# Altium PCB PCB.PcbDoc
Units mil, origin at the board's own origin, x right, y up, seen from the top; angles counter-clockwise.
Board outline 1670 x 2400 mil, 2 copper layers (Top Layer, Bottom Layer); 61 components, 44 nets, 256 pads, 85 vias.
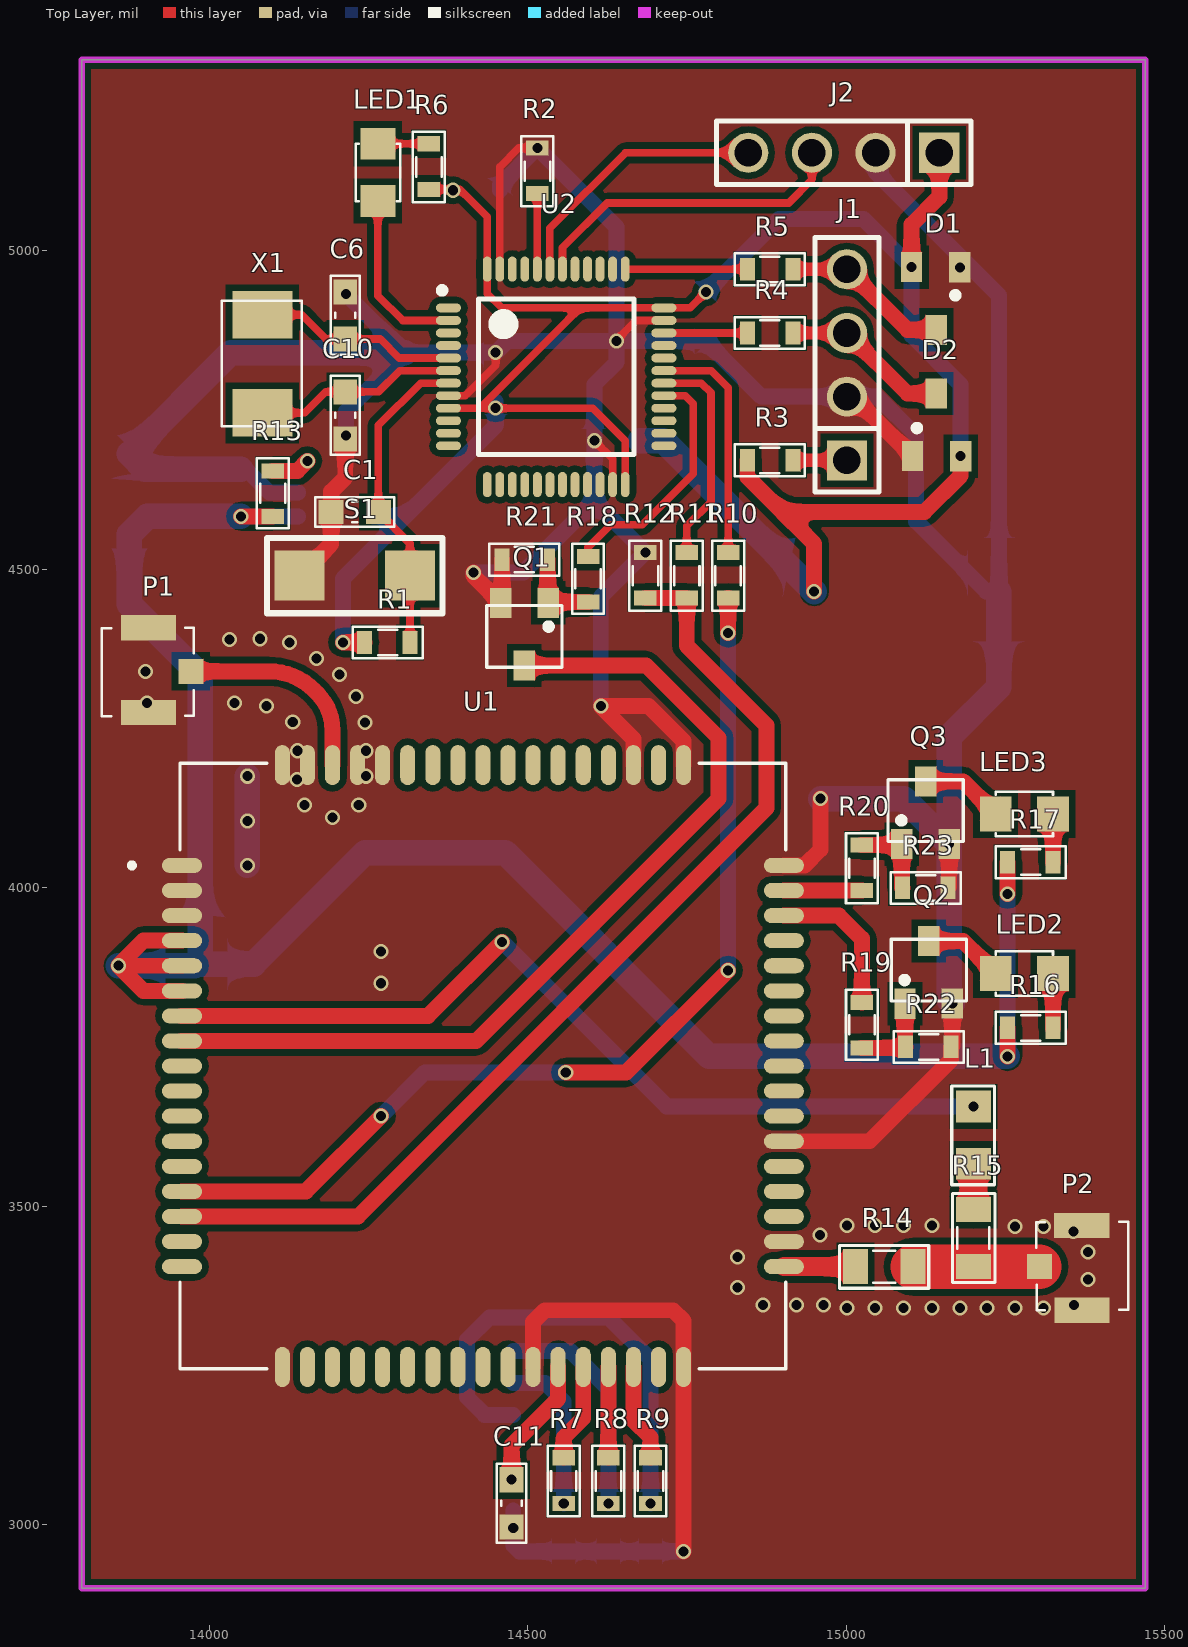
[diagram p0: Top Layer view]
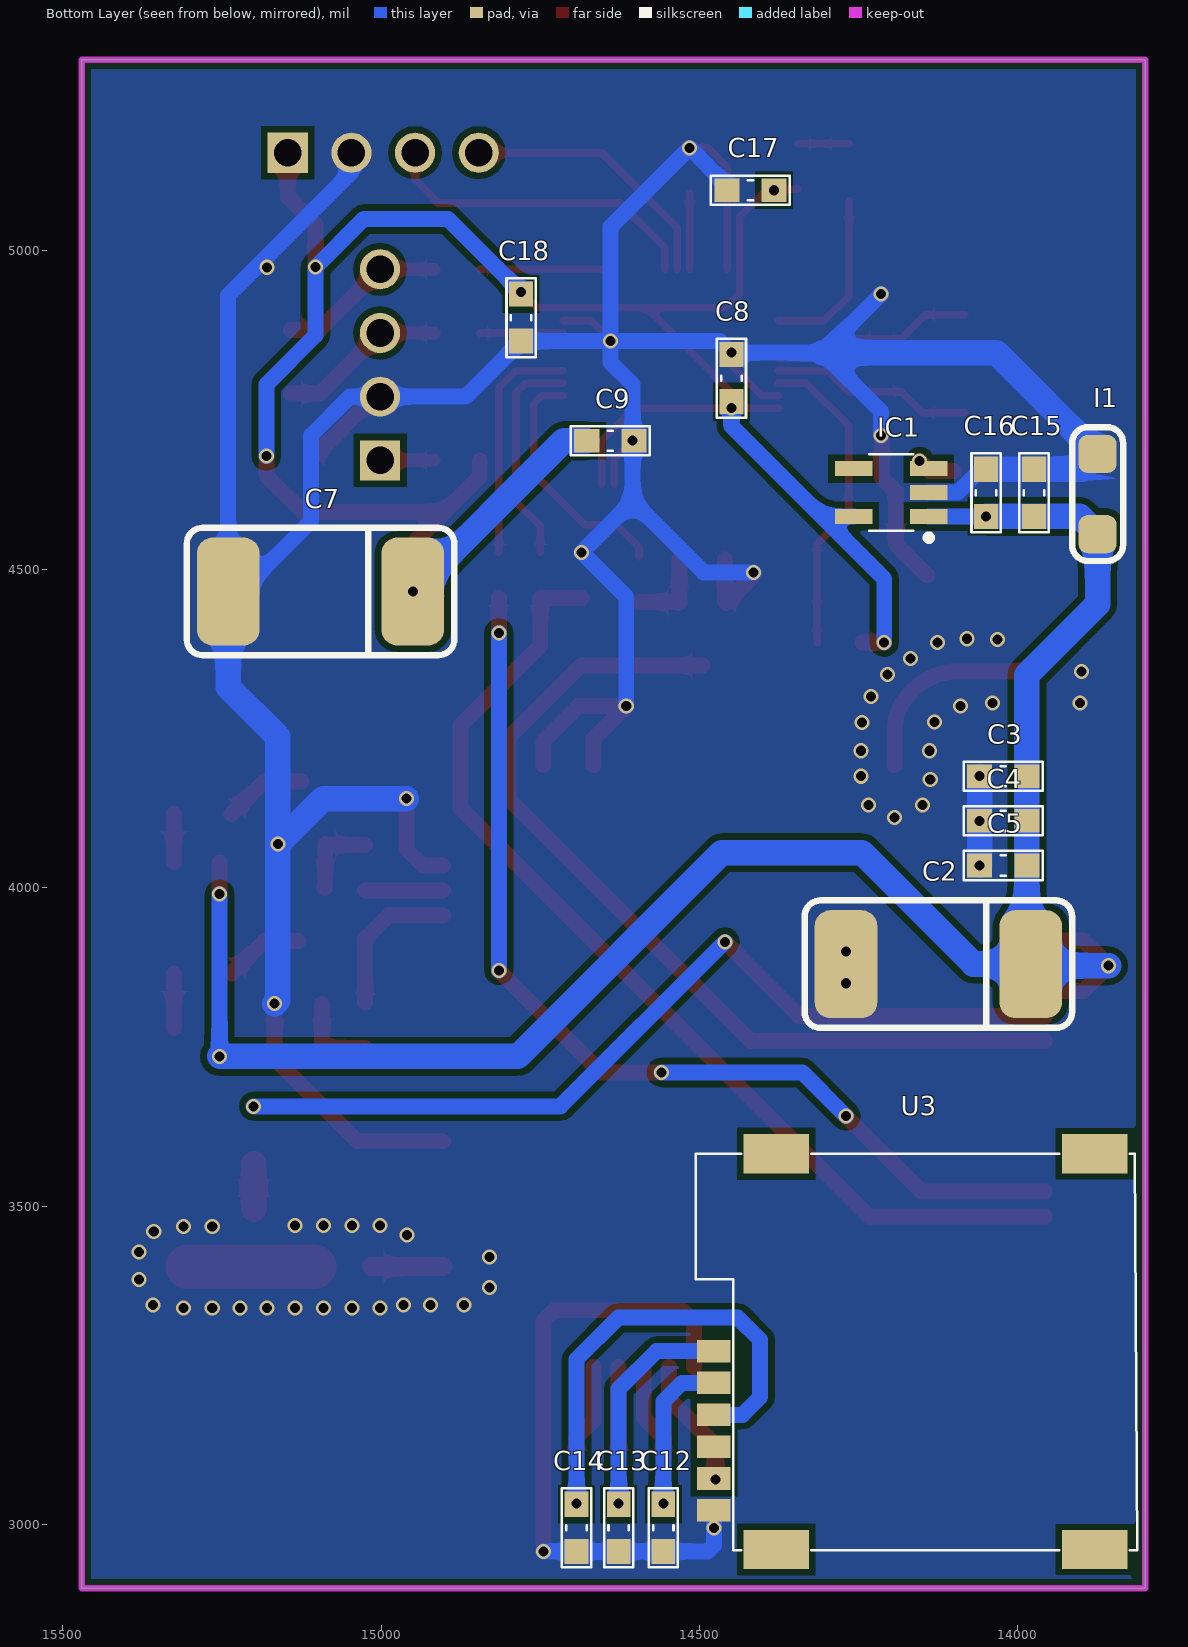
[diagram p1: Bottom Layer view, seen from below]
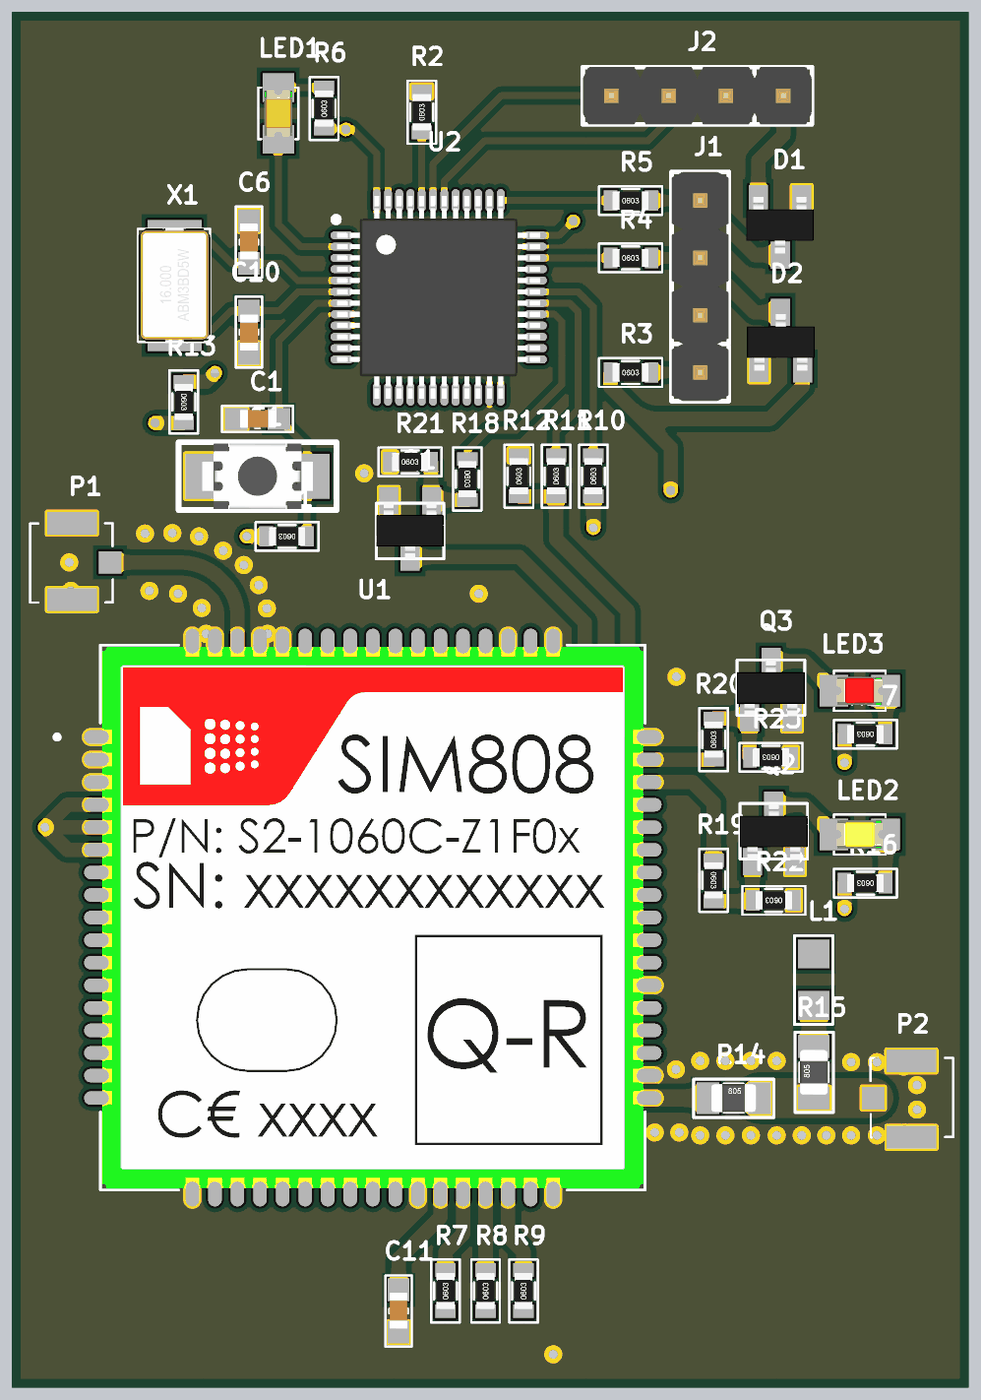
[diagram p2: 3D render of the assembled board from above, using the file's embedded part models]
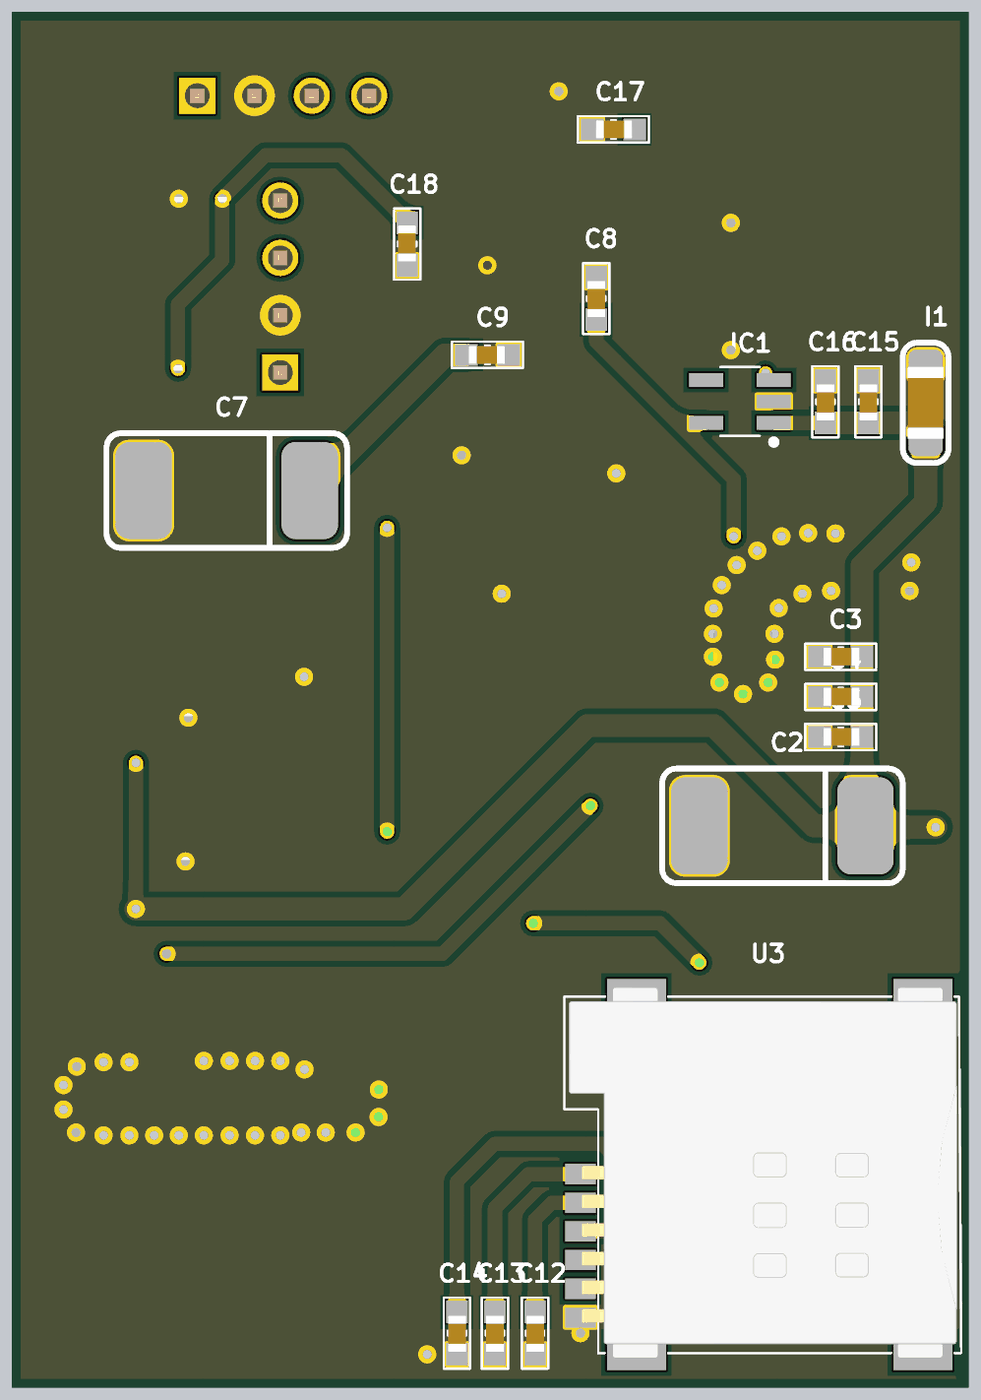
[diagram p3: 3D render of the assembled board from below, using the file's embedded part models]

## Layer stack, top to bottom
Top Solder: solder mask 0.4, Solder Resist, Dk 3.5
Top Layer: signal copper 1.4
Dielectric 1: dielectric 12.6, FR-4, Dk 4.8
Bottom Layer: signal copper 1.4
Bottom Solder: solder mask 0.4, Solder Resist, Dk 3.5

## Board outline
13800,2900 15470,2900 15470,5300 13800,5300

## Design rules (kind name [scope] priority, off if disabled: settings)
Clearance [All] p1: gap=10 ignorepadtopadclearanceinfootprint=TRUE except(0: Arc-Text Arc-Hole Track-Text Track-Hole SMDPad-Text SMDPad-Hole THPad-Text THPad-Hole Via-Text Via-Hole Fill-Text Fill-Hole Poly-Text Poly-Hole Region-Text Region-Hole Text-Text Text-Hole; 5: Arc-Arc Arc-Track Arc-SMDPad Track-Track Track-SMDPad SMDPad-SMDPad)
PolygonConnect [All] p1: connectstyle=Direct reliefconductorwidth=10 reliefentries=4 polygonreliefangle="90 Angle" airgapwidth=10
RoutingVias [All] p1: holewidth=15.75 width=23.62 viastyle="Through Hole" minholewidth=15.75 minwidth=23.62 maxholewidth=27.56 maxwidth=27.56
SolderMaskExpansion [All] p1: expansion=4
Width [All] p1: maxlimit=80 minlimit=12 preferedwidth=25
30 further rules are at their usual default settings.

## Components (designator, comment, footprint, x,y, rotation, side; value= is the part's Value field where it differs from the comment)
C1 "10uF" CAP_0603 14228.78,4590 r0 top value=33p
C2 "100uF" CAP_7343 14130,3880 r0 bottom
C3 "10uF" CAP_0603 14023.15,4175 r180 bottom value=33p
C4 "100nF" CAP_0603 14023.15,4105 r180 bottom value=33p
C5 "33pF" CAP_0603 14023.15,4035 r180 bottom value=33p
C6 "33pF" CAP_0603 14213.78,4898.52 r90 top value=33p
C7 "100uF" CAP_7343 15100,4465 r0 bottom
C8 "10uF" CAP_0603 14450,4800 r270 bottom value=33p
C9 "100nF" CAP_0603 14640,4701.73 r0 bottom value=33p
C10 "33pF" CAP_0603 14213.78,4741.52 r270 top value=33p
C11 "100nF" CAP_0603 14475,3033.51 r90 top value=33p
C12 "22pF" CAP_0603 14556.85,2995 r270 bottom value=33p
C13 "22pF" CAP_0603 14626.85,2995 r270 bottom value=33p
C14 "22pF" CAP_0603 14693.07,2995 r270 bottom value=33p
C15 "10uF" CAP_0603 13975,4620 r270 bottom value=33p
C16 "100nF" CAP_0603 14050,4620 r270 bottom value=33p
C17 "10uF" CAP_0603 14420,5095 r180 bottom value=33p
C18 "100nF" CAP_0603 14780,4895 r90 bottom value=33p
D1 "DIODE-BAV99" SOT23 15141.69,4925.07 r180 top
D2 "DIODE-BAV99" SOT23 15141.29,4726.65 r0 top
I1 "Batt" CAP_3216 13875,4617.99 r270 bottom value=33p
IC1 "RT9013" SOT23-5 14199.06,4620.4 r0 bottom
J1 "ST_LINK" JP4-D1T 15001.49,4670.9 r90 top
J2 "MPU" JP4-D1T 15146.49,5153.9 r180 top
L1 "47nH" L-0805 15200,3611.69 r270 top value="150 mH"
LED1 "LED" LED-0805-Orange 14265,5168 r270 top value="LED 3 ly Single Colour"
LED2 "LED" LED-0805-Yellow 15325,3865 r180 top value="LED 3 ly Single Colour"
LED3 "LED" LED-0805-Red 15325,4115.59 r180 top value="LED 3 ly Single Colour"
P1 "Antenna" IPXS 13955,4340 r0 top
P2 "Antenna" IPXS 15320,3404.69 r180 top
Q1 "2SC1815" SOT23D 14495,4398 r180 top value=C1815
Q2 "2SC1815" SOT23D 15130,3867 r0 top value=C1815
Q3 "2SC1815" SOT23D 15125,4117.59 r0 top value=C1815
R1 "10k" RES-SMD-0603 14280.39,4385 r180 top
R2 "100k" RES-SMD-0603 14515.47,5125 r90 top
R3 "10R" RES-SMD-0603 14880,4670.9 r0 top
R4 "10R" RES-SMD-0603 14880,4870.9 r0 top
R5 "10R" RES-SMD-0603 14880,4970.9 r0 top
R6 "1k" RES-SMD-0603 14345,5131.52 r90 top
R7 "22R" RES-SMD-0603 14556.85,3068.51 r90 top
R8 "22R" RES-SMD-0603 14626.85,3068.51 r90 top
R9 "22R" RES-SMD-0603 14693.08,3068.51 r90 top
R10 "1k" RES-SMD-0603 14815,4490 r90 top
R11 "1k" RES-SMD-0603 14750,4490 r90 top
R12 "4.7k" RES-SMD-0603 14685,4490 r90 top
R13 "100k" RES-SMD-0603 14100,4619.49 r270 top
R14 "0R" RES-SMD-0805 15060,3405.08 r0 top
R15 "10R" RES-SMD-0805 15200,3450.08 r90 top
R16 "1k" RES-SMD-0603 15290,3780 r180 top
R17 "1k" RES-SMD-0603 15290,4040 r180 top
R18 "4.7k" RES-SMD-0603 14595,4485 r270 top
R19 "4.7k" RES-SMD-0603 15025,3785 r270 top
R20 "4.7k" RES-SMD-0603 15025,4030.59 r90 top
R21 "47k" RES-SMD-0603 14495,4515 r0 top
R22 "47k" RES-SMD-0603 15130,3750 r180 top
R23 "47k" RES-SMD-0603 15125,3999.59 r180 top
S1 "SW-SMD" "SW 3x2x4" 14228.78,4490 r0 top
U1 "SIM808" XCVR_SIM808 14430,3720 r0 top
U2 "STM32" "LQFP 48" 14545,4802 r0 top
U3 "SIM-KF016" "Sim Socket" 14175,3275 r90 bottom value="Sim holder"
X1 "8Mhz" "XTAL 5032 SMD" 14083.78,4823.52 r90 top value=4Mhz

## Footprints (in the part's own frame and the unit in brackets; to place one, negate y for a bottom-side part, rotate by r counter-clockwise, add the part's x,y. Pads: shape width x height; smd on the part's side, far side on the other; paste and mask are expansions set on the pad)
CAP_0603 [mm]
  rect 1x0.95 smd mask+0.076: 1(-0.94,0) 2(0.94,0)
  silkscreen extent -1.57,-0.58 1.57,0.58, body extent -0.77,-0.39 0.83,0.41, height 0.9
CAP_3216 [mil]
  rrect50% 60x60 smd: 1(-62.99,0) 2(62.99,0)
  silkscreen extent -105,-40 105,40, body extent -63,-31 63,31, height 39
CAP_7343 [mm] "Capacitor Tantalum 7343"
  rrect50% 2.5x4.3 smd: 1(-3.81,0) 2(3.556,0)
  silkscreen extent -5.46,-2.54 5.21,2.54, body extent -3.81,-2.29 3.56,2.29, height 3
IPXS [mm] "SOT 23 _ 1-3-2"
  rect 1x1 smd: 1(0.415,-0.01)
  rect 2.2x1 smd: 2(-1.273,-1.658) 3(-1.278,1.73)
  silkscreen extent -3.13,-1.79 0.53,1.73, body extent -2.83,-1.49 0.31,1.56, height 1.55
JP4-D1T [mm] "4 pins, 1 row, straight, gold plating"
  rect 1.6x1.6 hole 1.1: 1(0,0)
  round 1.6 hole 1.1: 2(2.54,0) 3(5.08,0) 4(7.62,0)
  silkscreen extent -1.27,-1.27 8.89,1.27, body extent -1.27,-1.27 8.89,1.27, height 8.54
L-0805 [mil] "Compoment SMD 80x50mil"
  rect 50x55 smd: 1(-45,0) 2(45,0)
  silkscreen extent -77,-34 78,33, body extent -50,-20 50,20, height 43
LED-0805-Orange [mil]
  rect 50x55 smd: 1(0,0) 2(90,0)
  silkscreen extent 0,-35 90,35, body extent 5,-25 85,25, height 43
LED-0805-Red [mil]
  rect 50x55 smd: 1(0,0) 2(90,0)
  silkscreen extent 0,-35 90,35, body extent 5,-25 85,25, height 43
LED-0805-Yellow [mil]
  rect 50x55 smd: 1(0,0) 2(90,0)
  silkscreen extent 0,-35 90,35, body extent 5,-25 85,25, height 43
"LQFP 48" [mm] "LQFP, 48-Leads, Body 7,00x7,00mm, Pitch 0,50mm, IPC Medium Density"
  oval 1x0.35 smd: 1(-4.296,2.75) 2(-4.296,2.25) 3(-4.296,1.75) 4(-4.296,1.25) 5(-4.296,0.75) 6(-4.296,0.25) 7(-4.296,-0.25) 8(-4.296,-0.75) 9(-4.296,-1.25) 10(-4.296,-1.75) 11(-4.296,-2.25) 12(-4.296,-2.75) 25(4.296,-2.75) 26(4.296,-2.25) 27(4.296,-1.75) 28(4.296,-1.25) 29(4.296,-0.75) 30(4.296,-0.25) 31(4.296,0.25) 32(4.296,0.75) 33(4.296,1.25) 34(4.296,1.75) 35(4.296,2.25) 36(4.296,2.75)
  oval 0.35x1 smd: 13(-2.75,-4.296) 14(-2.25,-4.296) 15(-1.75,-4.296) 16(-1.25,-4.296) 17(-0.75,-4.296) 18(-0.25,-4.296) 19(0.25,-4.296) 20(0.75,-4.296) 21(1.25,-4.296) 22(1.75,-4.296) 23(2.25,-4.296) 24(2.75,-4.296) 37(2.75,4.296) 38(2.25,4.296) 39(1.75,4.296) 40(1.25,4.296) 41(0.75,4.296) 42(0.25,4.296) 43(-0.25,4.296) 44(-0.75,4.296) 45(-1.25,4.296) 46(-1.75,4.296) 47(-2.25,4.296) 48(-2.75,4.296)
  silkscreen extent -4.67,-3.1 3.1,3.57, body extent -4.5,-4.5 4.5,4.5, height 1.6
RES-SMD-0603 [mm]
  rect 0.6x0.9 smd: 1(-0.889,0) 2(0.927,0)
  silkscreen extent -1.4,-0.64 1.4,0.64, body extent -0.8,-0.4 0.8,0.4, height 0.43
RES-SMD-0805 [mil]
  rect 39.37x55 smd: 1(-45,0) 2(45,0)
  silkscreen extent -70,-34 70,33, body extent -39,-25 39,25, height 31
"Sim Socket" [mm] "Socket Micro Sim 6P Push"
  rect 0.9x1.35 smd: 1(-5.145,7.685) 2(-2.605,7.685) 3(-0.065,7.685) 5(-6.415,7.685) 6(-3.875,7.685) 7(-1.335,7.685)
  rect 1.56x2.61 smd: ""(-7.975,-7.5) ""(-7.975,5.2) ""(7.805,-7.5) ""(7.805,5.2)
  silkscreen extent -8,-9.2 7.8,8.4, body extent -8.2,-9 8.2,8.2, height 1.35
SOT23 [mm] "SOT 23 _ 1-3-2"
  rect 0.85x1.2 smd: 1(-0.94,-1.245) 2(0.985,-1.25) 3(0.005,1.25)
  silkscreen extent -0.89,-0.25 -0.64,0, body extent -1.47,-1.33 1.53,1.17, height 1.06
SOT23-5 [mm] "SOT23, 5-Leads, Body 3.0x3.0mm (max), Pitch 0.95mm, IPC Medium Density"
  rect 1.5x0.6 smd: 1(-1.5,0.95) 2(-1.5,0) 3(-1.5,-0.95) 4(1.5,-0.95) 5(1.5,0.95)
  silkscreen extent -1.62,-1.52 0.87,1.92, body extent -1.75,-1.52 1.75,1.53, height 1.45
SOT23D [mm] "SOT 23C - 1-3-2 - BCE"
  rect 0.85x1.2 smd: 1(-0.95,-1.25) 2(0.94,-1.245) 3(0,1.25)
  silkscreen extent -1.5,-1.14 1.5,1.32, body extent -1.5,-1.17 1.5,1.33, height 1.06
"SW 3x2x4" [mm]
  rect 2x2 smd: 1(-2.2,0) 2(2.2,0)
  silkscreen extent -3.5,-1.5 3.5,1.5, body extent -2.45,-1.45 2.45,1.45, height 2
XCVR_SIM808 [mm]
  oval 1.6x0.6 smd: 1(-12,8) 2(-12,7) 3(-12,6) 4(-12,5) 5(-12,4) 6(-12,3) 7(-12,2) 8(-12,1) 9(-12,0) 10(-12,-1) 11(-12,-2) 12(-12,-3) 13(-12,-4) 14(-12,-5) 15(-12,-6) 16(-12,-7) 17(-12,-8) 35(12,-8) 36(12,-7) 37(12,-6) 38(12,-5) 39(12,-4) 40(12,-3) 41(12,-2) 42(12,-1) 43(12,0) 44(12,1) 45(12,2) 46(12,3) 47(12,4) 48(12,5) 49(12,6) 50(12,7) 51(12,8)
  oval 0.6x1.6 smd: 18(-8,-12) 19(-7,-12) 20(-6,-12) 21(-5,-12) 22(-4,-12) 23(-3,-12) 24(-2,-12) 25(-1,-12) 26(0,-12) 27(1,-12) 28(2,-12) 29(3,-12) 30(4,-12) 31(5,-12) 32(6,-12) 33(7,-12) 34(8,-12) 52(8,12) 53(7,12) 54(6,12) 55(5,12) 56(4,12) 57(3,12) 58(2,12) 59(1,12) 60(0,12) 61(-1,12) 62(-2,12) 63(-3,12) 64(-4,12) 65(-5,12) 66(-6,12) 67(-7,12) 68(-8,12)
  silkscreen extent -14.1,-12.07 12.07,12.07, body extent -12,-12 12,12, height 2.8
"XTAL 5032 SMD" [mm] "SMD 5032 XTAL Footprint"
  rect 1.9x2.4 smd: 1(-1.981,0) 2(1.93,0)
  silkscreen extent -2.51,-1.57 2.49,1.63, body extent -2.5,-1.6 2.5,1.6, height 1.31

## Part data
C1 C3 C4 C5 C6 C8 C9 C10 C11 C12 C13 C14 C15 C16 C17 C18: library part CapSMD, "Capacitor", LatestRevisionDate=17-Jul-2002, LatestRevisionNote="Re-released for DXP Platform.", PackageReference=RAD-0.3, Published=8-Jun-2000, Publisher="Altium Limited"
C2 C7: library part "Cap Pol", "Tantalum", LatestRevisionDate=17-Jul-2002, LatestRevisionNote="Re-released for DXP Platform.", PackageReference=POLAR0.8, Published=8-Jun-2000, Publisher="Altium Limited"
D1 D2: "ZENER, SOT23,", Current - Average Rectified (Io) (per Diode)=200mA, Current - Reverse Leakage @ Vr="2.5礎 @ 70V", Manufacturer="ON Semiconductor / Fairchild", Manufacturer Part Number=BAV99, Package / Case="TO-236-3, SC-59, SOT-23-3", Standard Package=1, Supplier Device Package="SOT-23-3 (TO-236)", Supplier Part Number 1=BAV99FSCT-ND, Voltage - DC Reverse (Vr) (Max)=70V, Voltage - Forward (Vf) (Max) @ If="1.25V @ 150mA", .CheckPCB=LeKhaLinh, .CheckSCH=LeKhaLinh, .Creator=LeKhaLinh, Category="Discrete Semiconductor Products", ComponentLink1Description=https://www.fairchildsemi.com/package-drawings/MA/MA03B.pdf?src-supplier=Digi-Key, ComponentLink1URL=https://www.fairchildsemi.com/package-drawings/MA/MA03B.pdf?src-supplier=Digi-Key, ComponentLink2Description=http://www.farnell.com/datasheets/1822674.pdf?src-supplier=Element14, ComponentLink2URL=http://www.farnell.com/datasheets/1822674.pdf?src-supplier=Element14, ComponentLink3Description=http://www.mouser.com/ds/2/149/BAV99-22788.pdf?src-supplier=Mouser, ComponentLink3URL=http://www.mouser.com/ds/2/149/BAV99-22788.pdf?src-supplier=Mouser, ComponentLink4Description=http://www.fairchildsemi.com/ds/BA/BAV99.pdf?src-supplier=Avnet+Europe, ComponentLink4URL=http://www.fairchildsemi.com/ds/BA/BAV99.pdf?src-supplier=Avnet+Europe, ComponentLink5Description=https://www.verical.com/server-webapp/html/getDatasheet?partID=110217&src-supplier=Verical, ComponentLink5URL=https://www.verical.com/server-webapp/html/getDatasheet?partID=110217&src-supplier=Verical, ComponentLink6Description=http://www.farnell.com/datasheets/2304409.pdf?src-supplier=Element14, ComponentLink6URL=http://www.farnell.com/datasheets/2304409.pdf?src-supplier=Element14, Diode Configuration="1 Pair Series Connection", Diode Type=Standard, Family="Diodes, Rectifiers - Arrays", Mounting Type="Surface Mount", Online Catalog="Diode Array", Other Drawings="Diode Circuit", Other Names=BAV99FSDKR, Packaging=Digi-Reel®, PCN Assembly/Origin="SOT23 Manufacturing Source 31/May2013 /  / Assembly Site Addition 20/Jul/2015", PCN Design/Specification="Mold Compound 12/Dec/2007", PCN Packaging="Binary Year Code Marking 15/Jan/2014", Pricing 1="1=0.26, 10=0.21, 100=0.1115, 500=0.0734, 1000=0.0499 (USD)", Pricing 3="1=0.1933, 10=0.1873, 25=0.1555, 100=0.0806, 250=0.0724, 500=0.0523, 1000=0.0428, 3000=0.0342 (USD)", Reverse Recovery Time (trr)=6ns, Speed="Small Signal =", Stock 1=1165, Stock 2=0, Stock 3=5700, Supplier 1=Digi-Key, Supplier 2=Mouser, Supplier 3=Arrow, Supplier Part Number 2=512-BAV99, Supplier Part Number 3=BAV99
I1: library part CapSMD, "Pad", LatestRevisionDate=17-Jul-2002, LatestRevisionNote="Re-released for DXP Platform.", PackageReference=RAD-0.3, Published=8-Jun-2000, Publisher="Altium Limited"
IC1: "RT9013-33GB IC REG LINEAR 3.3V 500mA SOT23-5"
J1 J2: library part Header4, "Header IDC, 4 x 1 Pin Vertical 2.54mm Pitch (Non-Boxed, Male)", Manufacturer="Würth Elektronik eiSos GmbH", partNo=613002143121, ComponentLink1 Description=Manufacturer, ComponentLink1URL=http://www.we-online.com, ComponentLink2 Description=Datasheet, ComponentLink2URL=http://katalog.we-online.de/em/datasheet/6130xx143121.pdf, Created by="Karrer Zheng", Created Date="29 March 2013", NoPins=02
L1: library part "Inductor Ferit", "Inductor"
LED1 LED2 LED3: "LED Single colour Green and Red"
P1 P2: library part IPXSx66, "Antenna GSM GPS"
Q1 Q2 Q3: "NPN 600mW, ECB", =C2383
R1 R2 R3 R4 R5 R6 R7 R8 R9 R10 R11 R12 R13 R14 R15 R16 R17 R18 R19 R20 R21 R22 R23: library part "Resistor - SMD", "Resistor", Manufacturer="Generic Components", Class=Passive, Published=08/06/2000, Publisher="Altium Hobart Technology Centre"
S1: "Switch", LatestRevisionDate=17-Jul-2002, LatestRevisionNote="Re-released for DXP Platform.", PackageReference=SPST-2, Published=24-Mar-1999, Publisher="Altium Limited"
U1: "SIM808 GPS, GPRS/GSM RF Arduino Platform Evaluation Expansion Board", Package=None, Availability=Unavailable, ComponentLink1Description=https://banlinhkien.com/sim808-p6650749.html, ComponentLink1URL=https://banlinhkien.com/sim808-p6650749.html, MF="Adafruit Industries", MP=SIM808, Price=None, SnapEDA_Link=https://www.snapeda.com/parts/SIM808/SIMcom%20Wireless%20solutions%20Co.%2CLtd/view-part/424834/?ref=snap
U2: library part STM32F103C8T6, "STM32 ARM-based 32-bit MCU with 64 Kbytes Flash, 64-pin LQFP, Industrial Temperature"
U3: library part "Sim holder", "SIM Card Holder KF-016"
X1: library part XT2, "Crystal For all Crystal 2pin."

## Via types
v1: diameter 23.62, hole 15.75, Top Layer to Bottom Layer, 85 vias

## Nets (pads, with @x,y where several pads share a name; then routed paths per layer and width w, separated by ;. In a path a pad name is that pad's centre, name@x,y a point inside that pad or via, vN(x,y) a via of type N, cw(c..) or ccw(c..) an arc to the next point about the centre after c; other vN are vias at no path point)
3V3: C7.1 C8.2 C9.2 C17.2 C18.2 D1.2 D2.2 IC1.5 J2.1 R1.2 R3.1 R6.1 U2.9 U2.24 U2.36 U2.48 | length 3627.3
  Top Layer w12: R6.1 14393.49,5096.51 14436.73,5053.27 U2.48 14436.73,4932.79 14459.25,4910.27 14582.48,4910.27 ; U2.9 14425,4752.79 ; U2.24 14653.27,4701.73 14602.21,4752.79 14425,4752.79 ; v1(14780,4935) 14755.27,4910.27 U2.36 14582.48,4910.27 ; 14425,4752.79 14582.48,4910.27
  Top Layer w25: v1(14210,4385) R1.2 ; R3.1 14845,4645 14900,4590 ; v1(14950,4465) 14950,4540 14900,4590 ; v1(15102.89,4974.28) 15102.89,5040.9 15146.49,5084.49 J2.1 ; v1(15180.09,4677.44) 15180.09,4646.87 15123.22,4590 14900,4590
  Bottom Layer w25: v1(14210,4385) 14210,4485 14308,4583 ; IC1.5 14308,4583 ; C8.2 14450,4725 14308,4583 ; v1(14780,4935) 14895,5050 15027.18,5050 v1(15102.89,4974.28) 15102.89,4867.11 15180.09,4789.91 v1(15180.09,4677.44)
  Bottom Layer w40: C9.2 14713.27,4701.73 v1(14950,4465)
  other v1: 14450,4752.79 14383,5095
GND: C1.1 C2.2 C3.1 C4.1 C5.1 C6.2 C7.2 C8.1 C9.1 C10.2 C11.1 C12.2 C13.2 C14.2 C15.1 C16.1 C17.1 C18.1 D1.1 D2.1 I1.1 IC1.2 J1.2 J2.2 P1.2 P1.3 P2.2 P2.3 Q1.2 Q2.2 Q3.2 R2.2 R12.2 R21.1 R22.1 R23.1 S1.1 U1.1 U1.2 U1.3 U1.18 U1.28 U1.34 U1.36 U1.40 U1.51 U1.52 U1.54 U1.64 U1.65 U1.67 U1.68 U2.8 U2.23 U2.35 U2.47 U3.5 | length 8393.5
  Top Layer w12: U2.8 14402.47,4772.47 14450,4820 v1(14450,4840) ; U2.47 14456.42,5131.42 14486.49,5161.49 v1(14515.47,5161.49) ; v1(14605,4701.73) 14633.58,4673.15 U2.23 ; v1(14640,4858) 14640,4860 14670.58,4890.58 U2.35
  Top Layer w25: S1.1 14191.78,4539.61 C1.1 14191.78,4621.78 14213.78,4643.78 C10.2 ; v1(14415,4495) 14415,4490 Q1.2 14460,4449 R21.1 ; U1.28 14508.74,3318.27 14527.07,3336.59 14728.37,3336.59 14744.96,3320 U1.34 14745,3247.52 v1(14745,2958) ; U1.54 14666.22,4233.78 v1(14615,4285) 14690,4285 14744.96,4230.04 U1.52 ; U1.40 15036.89,3601.89 15165,3730 R22.1 15167,3751.99 v1(15167,3818) ; U1.51 14934.96,4034.96 14960,4060 v1(14960,4140) ; J1.2 15011.04,4770.9 D2.1 ; R23.1 15162,4001.59 v1(15162,4068.59)
  Bottom Layer w25: C16.1 14058,4657 14094.6,4620.4 IC1.2 ; v1(14215,4710) 14215,4748 14307,4840 ; v1(14215,4932) 14307,4840 ; v1(14415,4495) 14493.51,4495 14605,4606.49 ; C17.1 14457,5103.02 v1(14515.47,5161.49) 14640,5036.96 v1(14640,4858) ; U3.5 v1(14477.56,2994.94) 14477.56,2967.44 14487,2958 C12.2 C13.2 C14.2 v1(14745,2958) ; v1(14615,4285) 14615,4456.5 v1(14685,4526.49) 14605,4606.49 ; J2.2 15046.49,5123.51 15240,4930 C7.2 15220,4465 15110,4575 15110,4710 15049.1,4770.9 J1.2 14867.1,4770.9 C18.1 v1(14640,4858) ; 14307,4840 v1(14450,4840) 14468,4858 v1(14640,4858) ; 14605,4606.49 v1(14605,4701.73) 14605,4790 14640,4825 v1(14640,4858)
  Bottom Layer w40: C16.1 C15.1 13898.98,4657 I1.1 14034.02,4840 14307,4840 ; v1(14060.15,4035) v1(14060.15,4105) v1(14060.15,4175) ; v1(14960,4140) 15090.59,4140 v1(15162,4068.59) ; v1(15167,3818) 15162,3823 v1(15162,4068.59) ; C7.2 15240,4315 15162,4237 v1(15162,4068.59)
  other v1: 15001.49,3340 15045.57,3340 15090,3340 15135,3340 15178.69,3340 15221.7,3340 15265,3340 15310,3340 14870,3345 14922.13,3345 14965,3345 15358.11,3345 14830,3372.05 15380,3385 14829.47,3420 15380,3427.73 14959.14,3455 15356.81,3460 15265,3467.74 15310,3467.74 15001.49,3469.96 15045.57,3469.96 15090,3470 15135,3469.96 14270,3850 14270,3900 14193.78,4110 14149.93,4130 14235,4130 14137.72,4170 14246.46,4175 14138.9,4215 14246.46,4215 14245,4259.24 14131.38,4260 14090,4285 13902.86,4290 14040,4290 14230.84,4300 14204.85,4335 13900,4339.61 14168.88,4360 14126.62,4385 14032.35,4390 14080,4390.86 15178.69,4974.07
GPIO_PWRKEY: R18.1 U2.29 | length 388.4
  Top Layer w12: R18.1 14595,4534.61 14630.39,4570 14680,4570 14760,4650 14760,4760 14747.53,4772.47 U2.29
GPS: R14.1 U1.35 | length 112.6
  Top Layer w25: R14.1@15014.96,3405.04 R14.1
  Top Layer w30: U1.35 R14.1@15014.96,3405.04
GSM: P1.1 U1.66 | length 327.6
  Top Layer w25: P1.1 14093.97,4339.61 cw(c14093.97,4239.61) 14164.68,4310.32 14170,4305 cw(c14112.59,4247.59) 14193.78,4247.59 U1.66
NetC6_1: C6.1 U2.5 X1.2 | length 320.2
  Top Layer w12: X1.2 14145.48,4899.52 14183.48,4861.52 C6.1 14268.48,4861.52 14298.47,4831.53 U2.5
NetC10_1: C10.1 U2.6 X1.1 | length 319.6
  Top Layer w12: X1.1 14149.93,4745.52 14182.93,4778.52 C10.1 14266.04,4778.52 14299.36,4811.84 U2.6
NetD1_3: D1.3 J1.4 R5.2 | length 264.4
  Top Layer w20: R5.2 J1.4
  Top Layer w25: J1.4 15096.54,4875.86 D1.3
NetD2_3: D2.3 J1.3 R4.2 | length 264.4
  Top Layer w20: R4.2 J1.3
  Top Layer w25: J1.3 15096.53,4775.86 D2.3
NetIC1_3: IC1.3 R13.1 | length 60.8
  Top Layer w25: R13.1 14138.9,4654.49 v1(14154.41,4670)
NetJ1_1: J1.1 R3.2 | length 85
  Top Layer w20: R3.2 J1.1
NetL1_2: L1.2 R15.2 | length 71.6
  Top Layer w40: R15.2 L1.2
NetLED1_1: LED1.1 R6.2 | length 80
  Top Layer w12: LED1.1 R6.2
NetLED1_2: LED1.2 U2.2 | length 275.5
  Top Layer w12: LED1.2 14265,4929.52 14303.94,4890.58 U2.2
NetLED2_1: LED2.1 R16.1 | length 85
  Top Layer w25: R16.1 LED2.1
NetLED2_2: LED2.2 Q2.3 | length 126.2
  Top Layer w25: Q2.3 15183.79,3916.21 LED2.2
NetLED3_1: LED3.1 R17.1 | length 75.6
  Top Layer w25: R17.1 LED3.1
NetLED3_2: LED3.2 Q3.3 | length 131.2
  Top Layer w25: Q3.3 15183.79,4166.81 LED3.2
NETLIGHT: R20.1 U1.50 | length 122.6
  Top Layer w25: U1.50 R20.1
NetP2_1: P2.1 R14.2 R15.1 | length 198.7
  Top Layer w70: R14.2 R15.1 P2.1
NetQ1_1: Q1.1 R18.2 R21.2 | length 131.3
  Top Layer w25: R21.2 14531.49,4448.13 Q1.1 14533.7,4448.51 R18.2
NetQ2_1: Q2.1 R19.2 R22.2 | length 137.3
  Top Layer w25: R19.2 15092.03,3748.51 R22.2 15092.6,3750.91 Q2.1
NetQ3_1: Q3.1 R20.2 R23.2 | length 132.3
  Top Layer w25: R20.2 15086.3,4067.08 Q3.1 15087.6,4000.5 R23.2
NetR2_1: R2.1 U2.44 | length 118.9
  Top Layer w12: U2.44 R2.1
NetR7_2: R7.2 U1.30 | length 155.2
  Top Layer w25: R7.2 14556.85,3136.85 14587.48,3167.48 U1.30
NetR8_2: R8.2 U1.31 | length 142.6
  Top Layer w25: R8.2 U1.31
NetR9_2: R9.2 U1.32 | length 153.7
  Top Layer w25: U1.32 14666.22,3163.78 14693.07,3136.93 R9.2
NRST: C1.2 R1.1 S1.2 U2.7 | length 498.9
  Top Layer w12: R1.1 S1.2 14315.39,4540.39 C1.2 14265.78,4725.78 14332.16,4792.16 U2.7
RX1: R10.2 U2.31 | length 370.5
  Top Layer w12: U2.31 14788.16,4811.84 14815,4785 R10.2
SCL: J2.3 U2.42 | length 511.9
  Top Layer w12: U2.42 14554.84,5004.84 14625,5075 14910,5075 14946.49,5111.49 J2.3
SDA: J2.4 U2.43 | length 424.5
  Top Layer w12: U2.43 14535.16,5035.16 14653.9,5153.9 J2.4
SIM_CLK: C13.1 R8.1 U3.3 | length 353.5
  Bottom Layer w25: U3.3 14567.56,3272.44 14626.85,3213.14 v1(14626.85,3033.51)
SIM_DATA: C12.1 R7.1 U3.7 | length 251.1
  Bottom Layer w25: U3.7 14527.56,3222.44 14556.85,3193.14 v1(14556.85,3033.51)
SIM_PWRKEY: Q1.3 U1.8 | length 1447.2
  Top Layer w25: U1.8 14419.37,3759.37 14800,4140 14800,4235 14686.21,4348.79 Q1.3
SIM_RST: C14.1 R9.1 U3.2 | length 729.6
  Bottom Layer w25: U3.2 14432.56,3172.44 14405,3200 14405,3290 14440,3325 14627.44,3325 14693.08,3259.37 v1(14693.08,3033.51)
SIM_RX: R11.1 R12.1 U1.15 | length 1629.8
  Top Layer w25: U1.15 14233.78,3483.78 14875,4125 14875,4255 14750,4380 R11.1 R12.1
SIM_TX: R10.1 U1.14 | length 1586.1
  Top Layer w25: U1.14 14151.89,3523.15 v1(14270,3641.26) ; v1(14560,3710) 14655,3710 v1(14815,3870) ; v1(14815,4400) R10.1
  Bottom Layer w25: v1(14270,3641.26) 14338.74,3710 v1(14560,3710) ; v1(14815,3870) v1(14815,4400)
SIM_VCC: C11.2 U1.29 U3.1 | length 207.3
  Top Layer w25: v1(14475,3070.51) 14475,3124.53 14548.11,3197.64 U1.29
STATUS: R19.1 U1.49 | length 237.6
  Top Layer w25: U1.49 14988.78,3956.22 15025,3920 R19.1
SWCLK: R5.1 U2.37 | length 191.8
  Top Layer w12: U2.37 14844.76,4971.13 R5.1
SWDIO: R4.1 U2.34 | length 130.9
  Top Layer w12: U2.34 R4.1
TX1: R11.2 U2.30 | length 346.5
  Top Layer w12: U2.30 14772.84,4792.16 14788.16,4776.84 14788.16,4606.16 14750,4568 R11.2
VBAT: C2.1 C3.2 C4.2 C5.2 C15.2 C16.2 I1.2 IC1.1 R13.2 R16.2 R17.2 U1.4 U1.5 U1.6 | length 3335
  Top Layer w25: U1.6 13896.89,3838.11 v1(13857.52,3877.48) ; U1.5 v1(13857.52,3877.48) ; U1.4 13896.89,3916.85 v1(13857.52,3877.48) ; v1(14050,4583) R13.2 ; v1(15253.51,3735) R16.2 ; v1(15253.51,3990) R17.2
  Bottom Layer w25: v1(14050,4583) IC1.1 ; v1(15253.51,3735) v1(15253.51,3990)
  Bottom Layer w40: v1(13857.52,3877.48) 13977.48,3877.48 C2.1 ; v1(14050,4583) C15.2 13903,4583 I1.2 13875,4445 13986.15,4333.85 C3.2 C4.2 C5.2 13986.15,3886.15 C2.1 ; v1(15253.51,3735) 14785,3735 14465,4055 14245,4055 14070,3880 C2.1
VDD_EXT: L1.1 U1.7 | length 1397.6
  Top Layer w25: U1.7 14343.74,3798.74 v1(14460,3915)
  Bottom Layer w25: v1(14460,3915) 14718.31,3656.69 v1(15200,3656.69)
pads on no net: IC1.4 U1.9 U1.10 U1.11 U1.12 U1.13 U1.16 U1.17 U1.19 U1.20 U1.21 U1.22 U1.23 U1.24 U1.25 U1.26 U1.27 U1.33 U1.37 U1.38 U1.39 U1.41 U1.42 U1.43 U1.44 U1.45 U1.46 U1.47 U1.48 U1.53 U1.55 U1.56 U1.57 U1.58 U1.59 U1.60 U1.61 U1.62 U1.63 U2.1 U2.3 U2.4 U2.10 U2.11 U2.12 U2.13 U2.14 U2.15 U2.16 U2.17 U2.18 U2.19 U2.20 U2.21 U2.22 U2.25 U2.26 U2.27 U2.28 U2.32 U2.33 U2.38 U2.39 U2.40 U2.41 U2.45 U2.46 U3. U3.6

## Polygon pours and split planes (outlines as drawn)
GND on Top Layer "GND_L01_P000" (solid, remove dead copper, pour order 0): 13800,2900 15470,2900 15470,5300 13800,5300
GND on Bottom Layer "GND_L02_P002" (solid, remove dead copper, pour order 2): 13800,2900 15470,2900 15470,5300 13800,5300

## Keep-outs
Keep-Out Layer:
  lines w10: 13800,2900 15470,2900 15470,5300 15250,5300 13800,5300 13800,2900